# KiCad board LV Carrier Board.kicad_pcb (continued)
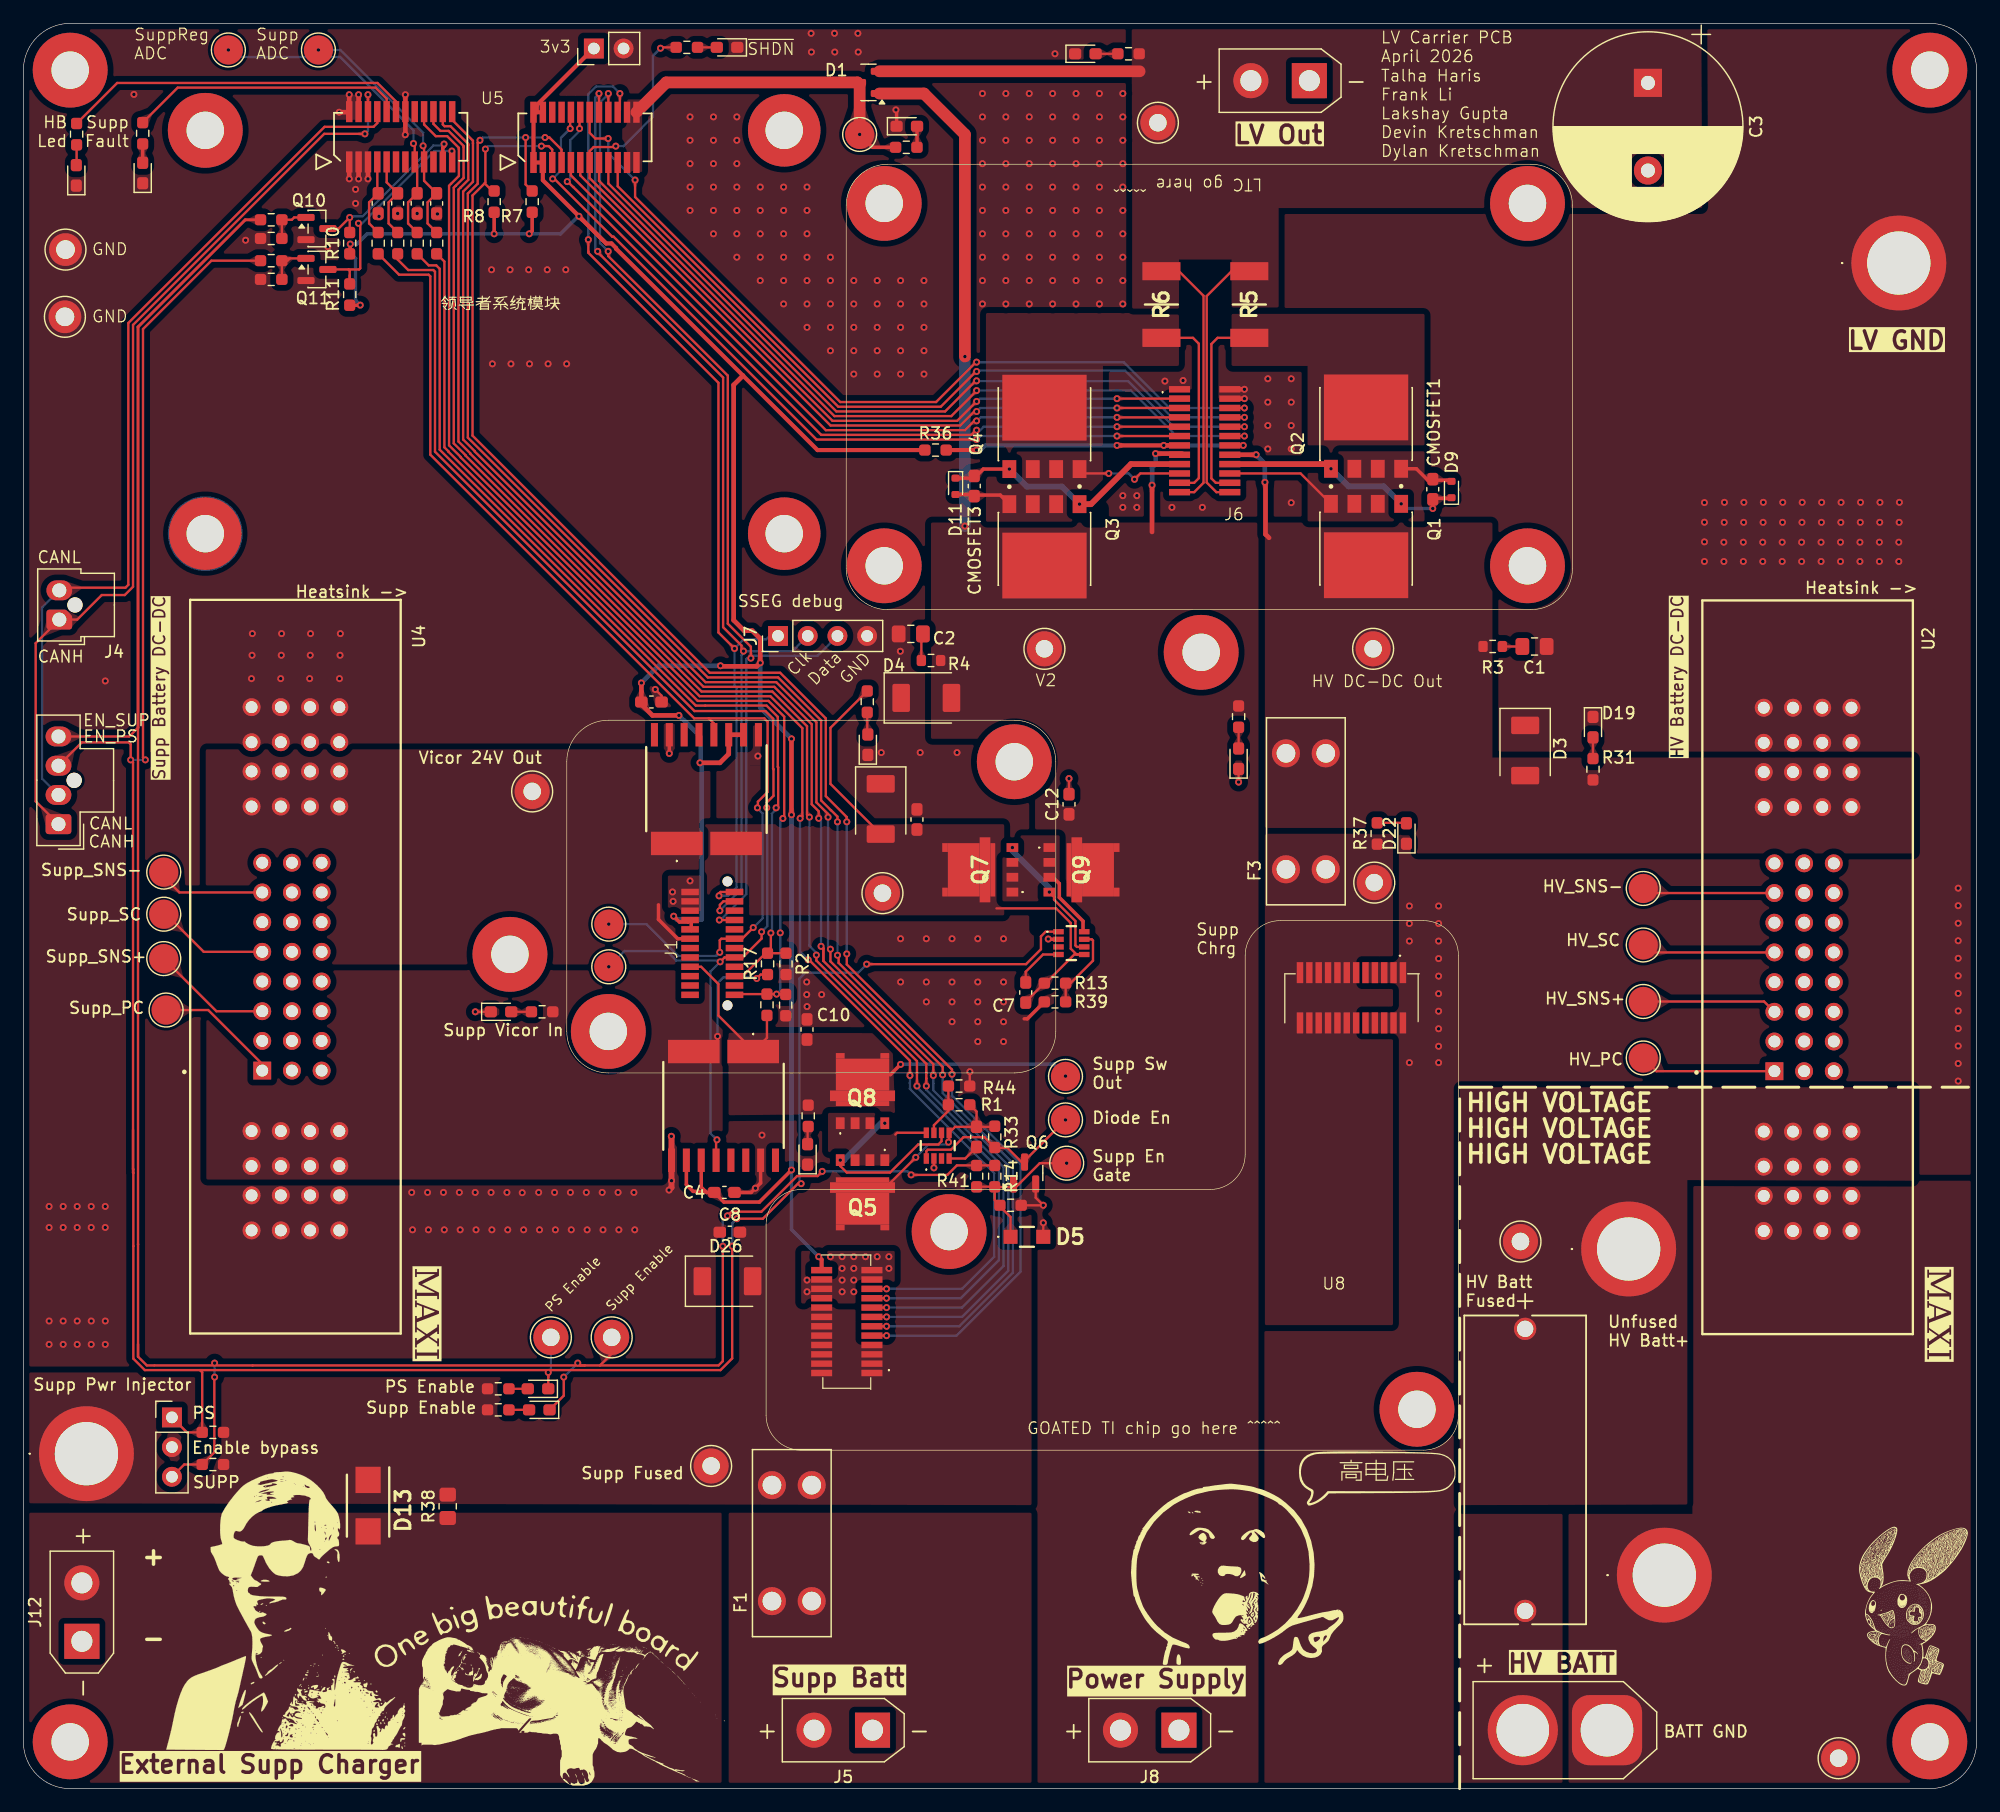
[diagram p0: board, top side]
## Routing (per net, layer and track width the routed paths; a pad name or vN(x,y) marks a point on that pad's centre or on a via; arc(x,y) is an arc through that point) (continued)
/SR_CLK: length 85.8
  Top w0.2: U5.16 v1(49.21,145) ; v1(59.55,75.1) 59.55,75.6 59.85,75.9 J1.4 ; v1(49.1,131.5) 49.1,131.43 59.83,120.7 59.83,99.35 61.4,97.77 61.4,97.47 v1(61.57,97.3)
  Bottom w0.2: v1(59.55,75.1) 61.4,76.95 61.4,96.95 61.57,97.12 ; 61.57,97.12 61.41,96.97 ; 61.57,97.12 v1(61.57,97.3) 61.57,97.3 65.76,97.3 J7.2 ; v1(49.21,145) 48.9,144.69 48.9,131.7 v1(49.1,131.5)
/SR_DATA: length 88.8
  Top w0.2: v1(50,131.5) 50,131.1 60.23,120.87 60.23,99.65 62.2,97.67 v1(62.2,96.7) ; v1(50.01,145) U5.18 ; v1(59.5,74.3) J1.8
  Bottom w0.2: v1(50.01,145) 49.81,144.8 49.81,144.75 49.3,144.24 49.3,132.2 v1(50,131.5) ; v1(59.5,74.3) 59.6,74.3 61.8,76.5 61.8,96.61 61.89,96.7 v1(62.2,96.7) 62.4,96.9 65.93,96.9 65.93,96.9 67.9,96.9 J7.3
/Status_LED: length 85.5
  Top w0.2: v1(51,145) 51,143.59 U5.20 ; v1(60.8,97.53) 59.42,98.9 59.42,120.25 48.3,131.38 48.3,131.5 48.3,131.5 v1(48.3,132.5) ; J1.2 59.6,76.7 59.48,76.58 v1(59.48,76.37)
  Bottom w0.2: v1(48.3,132.5) 48.3,133 48.3,144.94 48.96,145.6 50.4,145.6 v1(51,145) ; v1(59.48,76.37) 60.25,76.37 60.98,77.09 60.98,94.17 60.8,94.35 v1(60.8,97.53) 61.59,98.31 63.51,98.31 63.8,98.6 J7.1
/SUPP_FUSED: length 16.1
  Top w0.2: R1.1 81.5,57.92 C6.1 ; C6.1 83,56.61 R33.1 83.08,56.63 83.1,56.63 ; C6.1 79.66,56.61 IC1.5 79.15,55.35 v1(79.1,55.3) ; Q5.8 73.72,51.42 v1(76.3,54)
  Bottom w0.2: v1(79.1,55.3) 78.9,55.1 77.4,55.1 v1(76.3,54)
/Supp_I_ADC: length 109.6
  Top w0.2: R40.1 32,130.8 32.9,129.9 35.05,129.9 35.19,129.76 35.19,114.36 57.38,92.17 63.44,92.17 64.1,91.51 64.1,87.23 64.13,87.2 64.13,84.92 63.56,84.35 v1(63.56,83.91) ; v1(59.3,55.5) 59.22,55.42 IC4.6 ; v1(59.57,70.72) 59.95,71.1 J1.16 61.5,71.1 63.12,72.72 v1(63.12,73.29)
  Bottom w0.2: v1(50.05,70.3) 51.4,71.65 55,71.65 55.82,70.83 59.37,70.83 59.47,70.72 v1(59.57,70.72) 58.75,69.9 58.75,56.05 v1(59.3,55.5) ; v1(63.56,83.91) 63.6,83.87 63.6,73.78 v1(63.12,73.29)
/SUPP_REG: length 32.5
  Top w0.2: C7.1 85.7,67.31 R13.1 87.4,68.9 89.85,71.35 IC2.5 90.05,71.35 89.55,71.85 89.55,74.05 88.3,75.3 83.2,75.3 ; R27.1 69.01,90.74 69.01,85.94 D27.2
/Supp_V_ADC: length 83.9
  Top w0.2: J1.24 60.86,67.96 R20.2 v1(64.4,67.96) 65.15,67.96 R46.1 ; R45.1 35.99,130.63 35.99,114.74 36.35,114.38 36.35,114.35 57.65,93.04 63.7,93.04 65.05,91.7 65.05,83.1 v1(64.93,82.99)
  Bottom w0.2: v1(64.4,67.96) 64.71,68.27 v1(64.71,73.2) 64.71,82.76 v1(64.93,82.99)
/SuppCharger_En: length 134.8
  Top w0.2: v1(75.8,61) 75.8,62.26 67.16,70.9 v1(67.1,70.9) ; U5.42 34.26,142.35 35.26,141.35 36.24,141.35 37.23,140.35 37.23,140.26 37.24,140.25 37.24,137.95 36.4,137.11 36.4,114.9 37.4,113.9 37.4,113.87 57.82,93.44 63.87,93.44 66.6,90.71 66.6,83.18 v1(66.41,83) ; v1(73.8,42.75) U8.19
  Bottom w0.2: v1(75.8,61) 75.8,60.35 75.8,60.35 75.8,59.85 83,52.65 83,45.5 80.25,42.75 v1(73.8,42.75) ; v1(67.1,70.9) 66.4,71.6 66.4,82.98 v1(66.41,83) 66.4,83.01
/SuppCharger_Stat1: length 137.2
  Top w0.2: 68.4,70.8 77.2,62 77.2,61.25 77.2,61.25 77.2,60.75 77.2,60.75 v1(77.2,60.1) ; 68.4,70.8 68.4,71.86 v1(68.2,72.06) 68.2,72.05 68.35,71.9 68.4,71.9 68.4,70.8 ; U5.46 35.86,142.35 36.01,142.2 36.52,142.2 38.04,140.69 38.04,140.59 38.04,140.59 38.04,137.62 37.2,136.78 37.2,115.24 38.2,114.23 38.2,114.2 58.15,94.25 64.2,94.25 67.4,91.05 67.4,84.2 68,83.6 v1(68,83) ; v1(73.8,41.15) U8.15
  Bottom w0.2: v1(68,83) 68.2,82.8 v1(68.2,72.06) ; v1(73.8,41.15) 80.25,41.15 83.8,44.7 83.8,53.17 77.2,59.77 v1(77.2,60.1)
/SuppCharger_Stat2: length 135.1
  Top w0.2: v1(73.8,41.95) U8.17 ; v1(67.2,83.1) 67,83.3 67,90.88 64.04,93.85 57.99,93.85 37.8,114.03 37.8,114.07 36.8,115.07 36.8,136.94 37.64,137.78 37.64,140.42 37.63,140.42 37.63,140.52 36.35,141.8 35.66,141.8 35.06,142.4 U5.44 ; v1(67.8,71.3) 67.8,70.83 76.4,62.23 v1(76.4,60.1)
  Bottom w0.2: v1(67.8,71.3) 67.8,71.5 67.2,72.09 v1(67.2,83.1) 67.2,83.1 ; v1(73.8,41.95) 80.15,41.95 83.4,45.2 83.4,53 76.4,60 v1(76.4,60.1)
/SuppCharger_~{INT}: length 136.4
  Top w0.2: v1(68.8,83.1) 68.8,83.37 67.8,84.37 67.8,91.21 64.37,94.65 58.32,94.65 38.6,114.37 38.6,114.4 37.6,115.4 37.6,136.61 38.44,137.45 38.44,140.75 38.44,140.75 38.44,140.96 36.66,142.74 U5.48 ; v1(77.8,61) 77.8,61.97 69,70.77 69,71.8 v1(69,71.81) ; v1(73.8,40.35) U8.13
  Bottom w0.2: v1(73.8,40.35) 80.25,40.35 84.2,44.3 84.2,53.33 77.8,59.73 77.8,60.35 77.8,60.35 v1(77.8,61) ; v1(69,71.81) 68.8,72 v1(68.8,83.1)
/SupplementalBattery/Ideal Diode1/DIODE_EN: length 15.8
  Top w0.2: R33.2 82.16,55.73 80.38,55.73 79.3,54.65 77.32,54.65 77.2,54.53 IC1.1 ; 83.1,54.81 84.13,54.81 85.6,53.34 85.6,53.7 v1(89.1,57.2)
/SupplementalBattery/Ideal Diode1/GATE: length 16.3
  Top w0.2: v1(69.84,53.76) 69.84,53.26 70.4,52.7 74.1,52.7 76.5,55.1 78.22,55.1 78.5,55.38 IC1.6
  Bottom w0.5: v1(73.65,56.92) 73.32,56.92 70.16,53.76 v1(69.84,53.76)
/SupplementalBattery/Ideal Diode1/OVLO: length 4.5
  Top w0.2: IC1.7 77.85,56.75 79.09,57.99 R1.2 79.09,60.05
/SupplementalBattery/Ideal Diode1/SRC: length 2.7
  Top w0.2: 74.55,55.95 74.7,56.1 IC1.8
/SupplementalBattery/SUPP_IN+: length 31.8
  Top w0.2: R20.1 63.58,64.22 IC4.1 62.4,63.15 59.42,66.13 59.42,68.83 57.95,70.3 J1.17
  Top w0.3: Q8.7 74.13,61.08 v1(75,61.95) ; TP28.1 v1(89.1,60.95)
  Bottom w0.3: v1(75,61.95) 75.03,61.98 88.07,61.98 v1(89.1,60.95)
/SupplementalBattery/SUPP_PC: length 10.7
  Top w0.2: U4.1 20.42,61.98 15.8,66.6 TP1.1
/SupplementalBattery/SUPP_REG+: length 4.6
  Top w0.3: 54.3,75.6 54.3,74.35 55.95,72.7 J1.11
/SupplementalBattery/Supp_Reg_In: length 12.1
  Top w0.2: v1(62.7,69.3) 63.04,69.64 R17.1 ; IC4.2 58.63,63.05 59.35,63.77 v1(59.35,64.35)
  Bottom w0.2: v1(59.35,64.35) 59.35,68.9 59.85,69.4 62.6,69.4 v1(62.7,69.3)
/SupplementalBattery/SUPP_SC: length 9.8
  Top w0.2: U4.5 15.42,71.58 12.2,74.8 TP2.1
/SupplementalBattery/SUPP_SNS+: length 10.3
  Top w0.2: TP3.1 16.5,66.5 U4.3
/SupplementalBattery/SUPP_SNS-: length 9.4
  Top w0.2: U4.7 13.34,76.66 12,78 TP12.1
/SuppReg_I_ADC: length 94
  Top w0.2: v1(62.4,73.65) 61.45,72.7 J1.12 59.67,72.7 59.54,72.56 v1(59.54,71.54) ; 58.6,91.55 57.35,91.55 34.79,114.11 34.79,129.36 34.65,129.5 32.12,129.5 R35.1 ; 58.6,91.55 59.03,91.11 IC3.6 ; 58.6,91.55 63.35,91.55 63.63,91.27 63.63,85.25 62.8,84.42 62.8,83.94 v1(62.76,83.9)
  Bottom w0.2: v1(59.54,71.54) 59.23,71.23 55.99,71.23 53.27,73.95 v1(50.05,73.95) ; v1(62.76,83.9) 62.76,83.86 63.2,83.42 63.2,74.45 v1(62.4,73.65)
/SuppReg_V_ADC: length 82.1
  Top w0.2: v1(63.91,73.19) 63.91,71.91 61.5,69.5 J1.20 ; R2.1 R17.2 ; v1(64.36,83.9) 64.51,83.9 64.53,83.92 64.53,87.37 64.5,87.4 64.5,91.68 63.54,92.64 58.3,92.64 58.3,92.64 57.49,92.64 35.59,114.54 35.59,130.01 35.3,130.3 34.65,130.3 R9.1
  Bottom w0.2: v1(63.91,73.19) 64,73.28 64,83.4 64.36,83.76 v1(64.36,83.9)
/VDL1: length 68.4
  Top w0.2: v1(81.5,120.42) 81.42,120.42 78.81,117.81 69.51,117.81 50.01,137.3 U5.17 ; v1(104.4,116.5) 102.95,116.5
  Bottom w0.2: v1(81.5,120.42) 81.52,120.4 94.45,120.4 98.35,116.5 v1(104.4,116.5)
/VDL2: length 68.3
  Top w0.2: v1(93.5,116.5) 93.7,116.5 99.15,116.5 ; v1(47.55,142) 47.55,143.34 U5.12 ; v1(81.5,116.2) 81.45,116.2 81.05,115.8 68.21,115.8 47.01,137 47,137 46.53,137.47 v1(46.5,137.47)
  Bottom w0.2: v1(81.5,116.2) 81.8,116.2 82.1,116.5 v1(93.5,116.5) ; v1(46.5,137.47) 46.75,137.72 46.75,141 47.55,141.8 v1(47.55,142)
Net-(C1-Pad1): length 1.6
  Top w0.2: 128,97.7 R3.2
Net-(C2-Pad1): length 1.6
  Top w0.2: 76.8,98.12 76.78,98.1 76.78,96.5
Net-(D2-A): length 1.7
  Top w0.2: D2.2 R16.2
Net-(D5-K): length 13.5
  Top w0.2: D5.1 84.4,48.9 83.49,49.81 R15.1 83.05,50.34 R14.2 ; 81.5,51.49 82.8,51.49 83,51.29 83.17,51.46 84.86,51.46 86.9,53.5 v1(89.2,53.5)
Net-(D6-A): length 1.7
  Top w0.2: D6.2 4.55,138.9 R12.2
Net-(D7-A): length 1.6
  Top w0.2: R19.2 D7.2
Net-(D8-A): length 1.9
  Top w0.2: D8.2 R25.2
Net-(D10-A): length 1.8
  Top w0.3: R26.2 76.41,140.41 D10.2
Net-(D12-A): length 1.6
  Top w0.3: D12.2 R18.2
Net-(D14-A): length 1.9
  Top w0.2: D14.2 72.15,90.22 R27.2
Net-(D15-A): length 1.7
  Top w0.2: R28.2 D15.2
Net-(D16-A): length 1.5
  Top w0.2: R29.2 67.05,56.59 D16.2
Net-(D17-A): length 1.6
  Top w0.2: R30.2 D17.2
Net-(D19-A): length 1.8
  Top w0.2: D19.2 R31.2
Net-(D20-A): length 1.8
  Top w0.2: R32.2 D20.2
Net-(D22-A): length 2.5
  Top w0.2: R37.2 118.21,82.61 D22.2
Net-(IC1-VCP): length 2.7
  Top w0.2: 81.5,54.87 80.52,53.9 IC1.4
Net-(IC2-VCP): length 4.3
  Top w0.2: IC2.4 87.17,71.35 85.7,69.88 C7.2
Net-(Q10-G): length 3.1
  Top w0.2: 22.1,132.7 R21.2 ; Q10.1 23.15,134.4 22.95,134.2 22.6,134.2
Net-(Q11-G): length 3.8
  Top w0.2: Q11.1 22.3,130.9 ; 22.8,130.9 22.6,130.7 ; R23.2 22.1,129.03

## Copper pours and planes (outline as drawn; the poured copper is in the pictures)
GND on Top: 66.5,46 74.5,46 74.5,41.5 66.5,41.5
GND on Top: 57.95,78.1 55.1,78.1 55.1,74.83 57.95,74.83
GND on Top: 63.85,91.4 63.85,87.55 62.12,87.55 62.12,91.4
GND on Top, Bottom: 0,151.5 167.6,151.5 167.6,0 0,0
GND_BATT on Top, Bottom: 131.8,-0.05 131.8,23.5 142.7,23.5 142.7,52 167.2,52 167.2,-0.05
/Batt_V_unfused on Top, Bottom: 122.8,-0.05 122.8,23.5 131.6,23.5 131.6,-0.05
/DCDC_Vout on Top: 161.65,80 106.15,80 106.15,108.3 125.6,108.3 125.6,88.2 161.65,88.2
/EXT_CHG on Top: 0,-0.05 0,23.6 59.7,23.6 59.7,-0.05
/HV_DCDC/Batt_V on Top, Bottom: 122.8,24.25 122.8,60 161.6,60 161.6,52 142.27,52.05 142.27,24.3
/Ideal Diode/SRC on Top: 83.7,81.55 88.61,81.55 88.61,75.64 83.7,75.64
/MCU/LSOM_24V_IN on Top: 51.2,144.5 52.9,144.5 52.9,138 51.2,138
/MUX HAT & FETs/SENSE1 on Top: 109.8,114.2 109.8,121.7 103.3,121.7 103.3,126.15 119.8,126.15 119.8,114.2
/MUX HAT & FETs/SENSE2 on Top: 98.8,126.22 98.8,121.7 92.3,121.7 92.3,114.28 82.3,114.28 82.3,126.22
/MUX HAT & FETs/SOURCE1 on Top: 119.8,114.4 119.8,108.4 109.8,108.4 109.8,114.4
/MUX HAT & FETs/SOURCE2 on Top: 92.3,114.38 92.3,108.38 82.3,108.38 82.3,114.38
/Out on Top: 143.54,135.2 107.33,135.2 107.33,126.7 103.3,126.7 103.3,130.8 98.81,130.8 98.81,126.6 94.8,126.6 94.8,134.3 94.76,150.7 143.47,150.75
/PS on Top: 86.5,0.05 86.5,89.8 77.6,89.8 77.6,108.3 105.6,108.3 105.6,0.05
/SUPP_FUSED on Top: 0,24.41 0,35.6 59.8,35.6 59.8,53.2 86.2,53.2 86.2,24.25
/SUPP_IN on Top: 60.3,0.05 60.3,23.6 86.2,23.6 86.2,0.05
/SUPP_REG on Top: 58.26,82.5 83.86,82.5 83.86,74.7 58.26,74.7
/SuppCharger/BAT_CHRG_IN on Top: 106.15,81.67 117.1,81.67 117.1,39.65 106.15,39.65
/SupplementalBattery/Ideal Diode1/SRC on Top: 68.8,52.91 68.8,57.81 74.69,57.81 74.69,52.91
/SupplementalBattery/SUPP_IN+ on Top: 59.95,64.65 74.27,64.62 74.53,57.74 59.95,57.6
/SupplementalBattery/SUPP_REG+ on Top: 15.59,88.9 58.74,88.9 58.74,70.5 15.59,70.5
/SupplementalBattery/Supp_Reg_In on Top: 15.64,70.4 59.79,70.4 59.79,52.1 15.64,52.1

Small or netless copper shapes (teardrops, artwork), in the pictures only: 168 on Top, 77 on Bottom

## Text on the board
B.Silkscreen: Mfw Vgs < 20V
F.Silkscreen: PS Enable | Supp Enable | GND | SuppReg / ADC | Supp / ADC | 领导者系统模块 | 3v3 | ~{SHDN} | V2 | HV DC-DC Out | LV Carrier PCB / April 2026 | Talha Haris / Frank Li / Lakshay Gupta / Devin Kretschman / Dylan Kretschman | Clk | Data | SSEG debug | Supp / Chrg | HB / Led | CANL | CANH | Supp / Fault | EN_PS | EN_SUP | Supp Pwr Injector | Supp_SNS- | Supp_SNS+ | Supp_SC | Supp_PC | Enable bypass | PS | SUPP | Heatsink -> | Vicor 24V Out | Supp Vicor In | Supp Fused | Supp Sw / Out | Diode En | Supp En / Gate | HV Batt / Fused | HV_SNS- | HV_SNS+ | HV_SC | HV_PC | Unfused / HV Batt+ | BATT GND | Supp Battery DC-DC | HV Battery DC-DC | 高电压 | + | External Supp Charger | - | Supp Batt | Power Supply | LV Out | HIGH VOLTAGE | HV BATT | LV GND
